# Allegro board 1140022-KU060_PCIE_FIBER_BOARD_V001_pcb166_20240120_1835_pcb.brd (continued)
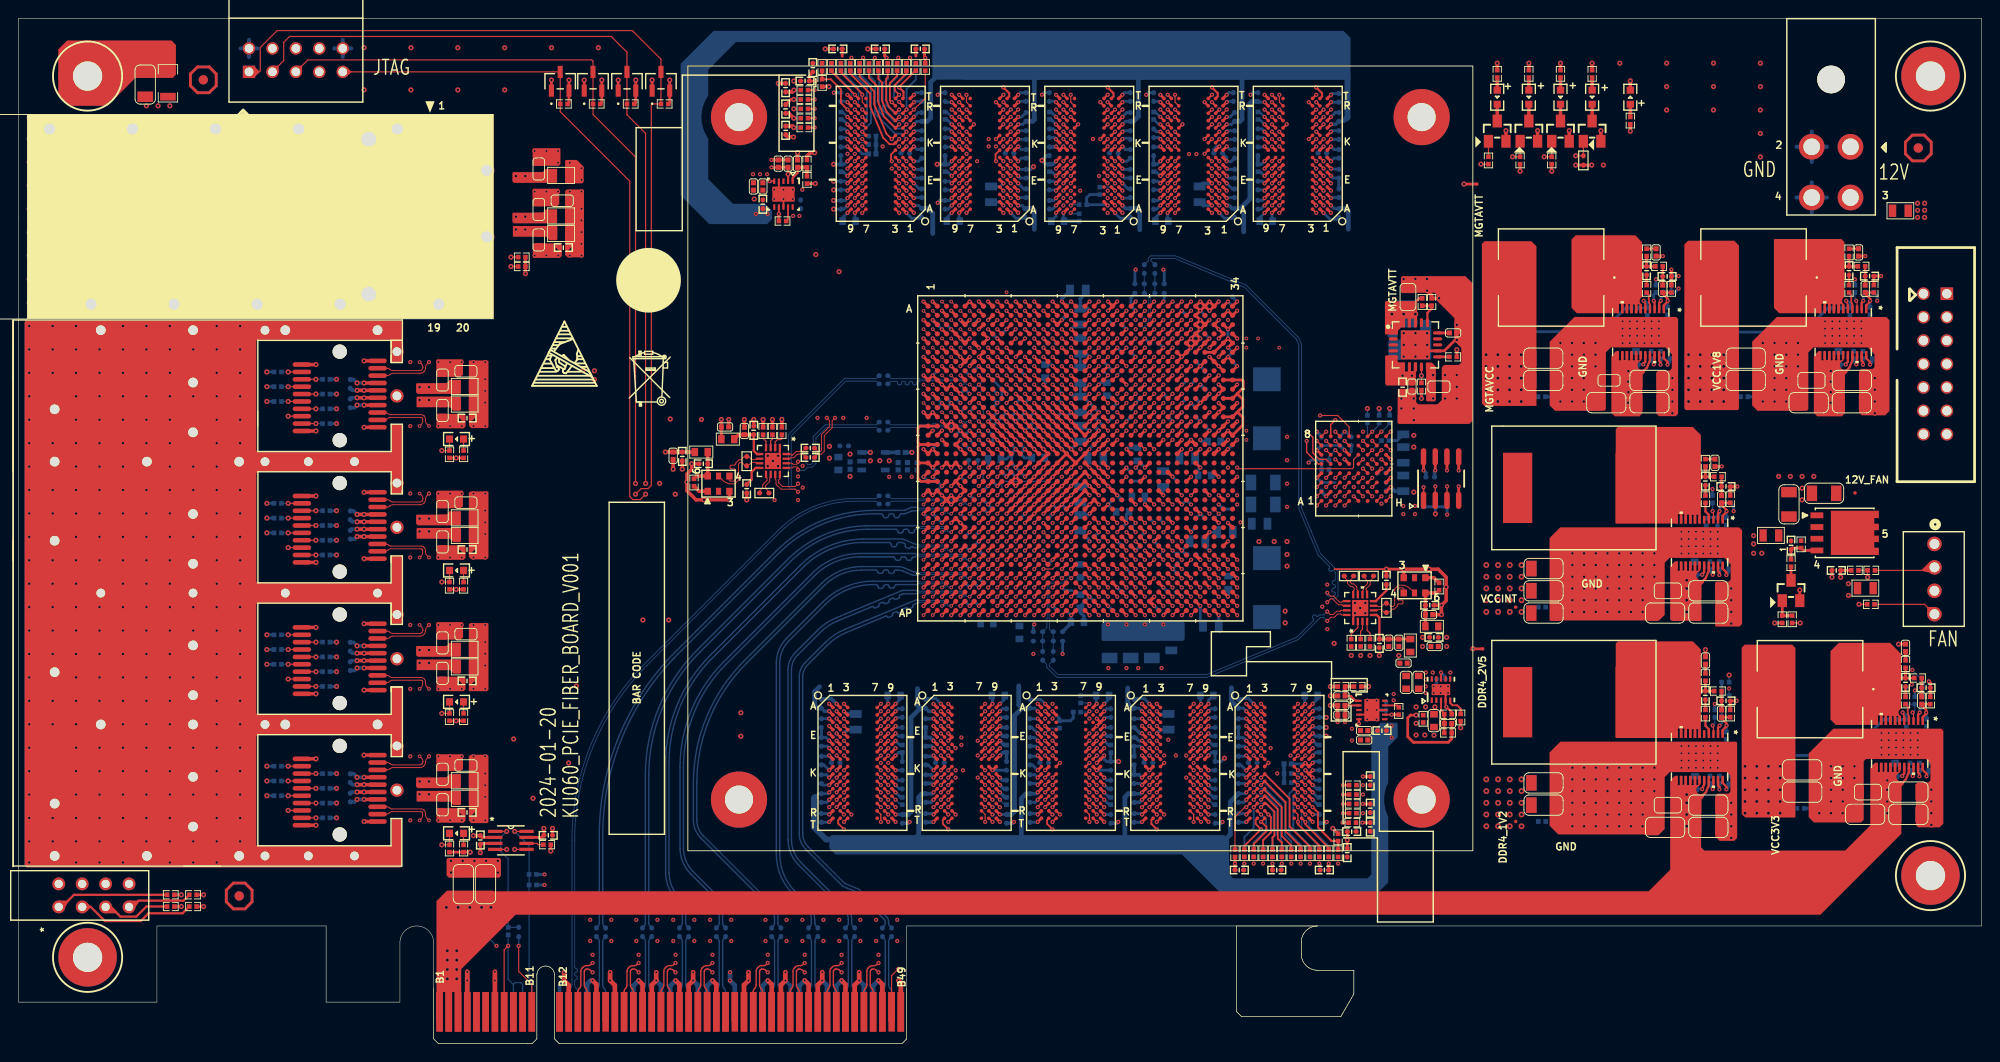
[diagram p0: board, top side]
## Routing (per net, layer and track width the routed paths; a pad name or vN(x,y) marks a point on that pad's centre or on a via; arc(x,y) is an arc through that point) (continued)
  ART03 w0.086: v1(104.11,57.45) 104.59,57.94 118.17,57.94 120.8,59.03 132.44,59.03 137.09,57.11 140.83,56.36 144.98,56.36 146.75,58.13 v1(146.75,59.34)
CHA_BPI_FLASH_D1: length 46.5
  TOP w0.155: U1.AB7 v1(104.11,58.45) ; U2.E2 v1(145.75,59.34)
  ART03 w0.086: v1(145.75,59.34) 145.75,57.64 144.81,56.69 140.85,56.69 137.16,57.43 136.69,57.62 135.95,58.36 132.07,59.97 118.77,59.97 117.86,59.05 104.7,59.05 104.11,58.46 v1(104.11,58.45)
CHA_BPI_FLASH_D2: length 47.3
  TOP w0.155: U2.G3 v1(146.75,60.34) ; U1.AA7 v1(104.11,59.45)
  ART03 w0.086: v1(104.11,59.45) 104.31,59.45 104.85,59.99 118.36,59.99 118.75,60.38 131.99,60.38 136.27,58.6 136.98,57.89 137.38,57.72 140.65,57.07 144.25,57.07 145.36,58.19 145.36,59.54 145.64,59.82 146.23,59.82 v1(146.75,60.34)
CHA_BPI_FLASH_D3: length 46.8
  TOP w0.155: U1.Y7 v1(104.11,60.45) ; U2.E4 v1(144.75,61.34)
  ART03 w0.086: v1(104.11,60.45) 104.29,60.45 104.83,60.99 132.07,60.99 140.72,57.4 143.99,57.4 145.16,58.57 145.16,60.93 v1(144.75,61.34)
CHA_BPI_FLASH_D4: length 32.9
  TOP w0.155: U1.M20 v1(118.11,68.45) ; U2.E5 v1(145.75,63.34)
  ART03 w0.086: v1(118.11,68.45) 118.68,69.02 119.39,69.02 119.71,68.71 119.71,67.29 120.15,66.85 132.48,66.85 132.56,66.93 133.27,66.93 136.4,63.8 139.85,63.8 140.79,62.87 145.01,62.87 145.49,63.34 v1(145.75,63.34)
CHA_BPI_FLASH_D5: length 34.1
  TOP w0.155: U1.L20 v1(118.11,69.45) ; U2.G5 v1(146.75,63.34)
  ART03 w0.086: v1(118.11,69.45) 118.58,69.93 120.22,69.93 120.65,69.49 120.65,68.91 120.6,68.86 120.6,68.28 121.02,67.85 131.59,67.85 131.59,67.85 132.27,67.85 132.33,67.79 133.46,67.79 136.5,64.74 146,64.74 146.28,64.47 146.28,64.19 146.75,63.71 v1(146.75,63.34)
CHA_BPI_FLASH_D6: length 40
  TOP w0.155: U1.R21 v1(119.11,66.45) ; U2.G6 v1(147.75,64.34)
  ART05 w0.086: v1(147.75,64.34) 147.75,64.06 148.16,63.65 148.16,62.16 147.14,59.71 147.14,59.23 147.02,58.93 146.31,58.08 144.53,56.29 139.75,56.29 138.42,56.55 136.48,57.35 136.3,57.48 134.38,59.4 131.68,60.52 131.24,60.52 127.33,62.14 125.71,62.46 122.14,63.94 121.75,64.2 121.03,65.28 120.4,66.8 120.35,66.85 119.92,66.85 119.22,66.57 v1(119.11,66.45)
CHA_BPI_FLASH_D7: length 39
  TOP w0.155: U2.H7 v1(148.75,64.34) ; U1.R22 v1(120.11,66.45)
  ART05 w0.086: v1(148.75,64.34) 148.52,64 148.35,63.44 148.35,62.01 147.35,59.58 147.35,59.04 147.24,58.78 147.07,58.57 146.15,57.45 144.65,55.96 139.68,55.96 138.31,56.23 136.01,57.18 135.24,57.96 132.64,59.69 131.72,60.07 131.51,60.07 127.26,61.83 125.64,62.15 122.29,63.54 121.59,64.01 121.34,64.26 121.05,64.7 v1(120.11,66.45)
CHA_BPI_FLASH_D8: length 32.4
  TOP w0.155: U1.P20 v1(118.11,66.45) ; U2.E1 v1(144.75,59.34)
  ART03 w0.086: v1(144.75,59.34) 144.3,59.79 144.3,61.47 143.99,61.77 136.17,61.77 133.22,64.72 132.16,64.72 131.81,65.06 118.83,65.06 118.51,65.39 118.51,66.05 v1(118.11,66.45)
CHA_BPI_FLASH_D9: length 32.1
  TOP w0.155: U1.P21 v1(119.11,67.45) ; U2.E3 v1(145.75,61.34)
  ART03 w0.086: v1(119.11,67.45) 118.71,67.05 118.71,66.08 118.78,66 119.43,66 119.58,65.85 132.33,65.85 132.59,65.59 132.59,65.3 132.83,65.06 133.39,65.06 136.35,62.1 144.65,62.1 145.41,61.34 v1(145.75,61.34)
CHA_BPI_FLASH_D10: length 32.9
  TOP w0.155: U2.F3 v1(146.75,61.34) ; U1.N22 v1(119.11,68.45)
  ART03 w0.086: v1(146.75,61.34) 146.22,61.87 145.44,61.87 144.81,62.51 136.63,62.51 133.18,65.95 132.62,65.95 132.51,66.06 119.9,66.06 119.51,66.45 119.51,68.05 v1(119.11,68.45)
CHA_BPI_FLASH_D11: length 32.5
  TOP w0.155: U2.F4 v1(145.75,62.34) ; U1.M22 v1(120.11,69.45)
  ART03 w0.086: v1(145.75,62.34) 146.25,62.84 146.25,63.63 146.05,63.83 140.63,63.83 140.32,64.14 136.53,64.14 133.4,67.26 132.56,67.26 132.36,67.06 120.94,67.06 120.5,67.49 120.5,67.94 120.12,68.33 120.12,69.44 v1(120.11,69.45)
CHA_BPI_FLASH_D12: length 35.2
  TOP w0.155: U2.F5 v1(146.75,62.34) ; U1.R23 v1(121.11,66.45)
  ART05 w0.086: v1(146.75,62.34) 146.69,62.34 146.35,62 146.35,58.96 145.57,57.79 144.4,56.62 139.81,56.62 138.49,56.88 136.72,57.61 136.42,57.81 133.27,60.96 131.29,60.96 130.24,62.02 128.07,62.92 125.44,62.92 122.86,63.98 122.59,64.25 122.59,64.83 121.11,66.32 v1(121.11,66.45)
CHA_BPI_FLASH_D13: length 36.6
  TOP w0.155: U1.P23 v1(121.11,67.45) ; U2.H5 v1(147.75,63.34)
  ART05 w0.086: v1(121.11,67.45) 121.33,67.23 121.59,66.6 121.59,66.4 122.3,65.69 122.99,65.4 124.34,64.05 126.2,63.28 127.99,63.28 131.01,62.03 132.71,62.03 136.8,57.94 138.62,57.19 139.83,56.95 144.27,56.95 145.49,58.17 146.15,59.15 146.15,62.43 146.56,62.84 146.86,62.84 147.52,63.11 v1(147.75,63.34)
CHA_BPI_FLASH_D14: length 34.7
  TOP w0.155: U2.G7 v1(146.75,65.34) ; U1.R25 v1(123.11,66.45)
  ART05 w0.086: v1(146.75,65.34) 146.44,65.03 146.2,64.46 146.2,64.26 146.12,64.05 145.96,63.89 145.75,63.8 145.64,63.8 145.37,63.53 145.24,63.21 145.24,59.46 145.12,58.86 144.7,57.86 144.15,57.3 140.4,57.3 138.21,58.21 137.29,59.13 135.73,59.77 133.16,62.34 132.64,62.62 132.13,62.9 128.46,63.63 126.13,63.63 124.8,64.18 123.65,65.33 123.45,65.62 v1(123.11,66.45)
CHA_BPI_FLASH_D15: length 33.3
  TOP w0.155: U1.R26 v1(124.11,66.45) ; U2.E7 v1(145.75,64.34)
  ART05 w0.086: v1(145.75,64.34) 145.11,64.34 144.22,63.45 144.22,59.21 144.48,58.95 144.48,58.04 144.02,57.58 140.57,57.58 138.48,58.45 137.57,59.36 136.18,59.93 132.18,63.93 126.21,63.93 125.17,64.36 124.51,65.02 124.51,66.02 124.11,66.42 v1(124.11,66.45)
CHA_BPI_FLASH_OE_B: length 29.8
  TOP w0.155: U2.F8 v1(146.75,66.34) ; U1.G25 v1(123.11,74.45)
  ART03 w0.086: v1(123.11,74.45) 123.5,74.06 131.47,74.06 131.6,74.19 138.9,74.19 v1(146.75,66.34)
  BOTTOM w0.127: v1(146.75,66.34) 147.5,67.09 R27.2
CHA_BPI_FLASH_RST_B: length 46.9
  TOP w0.155: U2.D4 v1(143.75,61.34)
  ART03 w0.086: v1(143.75,61.34) 143.23,60.82 143.23,58.19 142.95,57.91 140.58,57.91 135.18,60.15 132.41,62.92 103.57,62.92 v1(103.11,62.45)
  BOTTOM w0.127: v1(103.11,62.45) 103,62.56 R1.1
CHA_BPI_FLASH_WAIT: length 30
  TOP w0.155: U1.H23 v1(121.11,73.45)
  ART03 w0.086: v3(146.23,68.86) 140.16,74.93 131.98,74.93 131.85,75.06 123.09,75.06 122.58,74.55 122.58,74.16 122.27,73.85 121.5,73.85 v1(121.11,73.45)
  BOTTOM w0.127: R31.2 v3(146.23,68.86)
CHA_BPI_FLASH_WE_B: length 30.1
  TOP w0.155: U2.G8 v1(147.75,66.34) ; U1.G26 v1(124.11,74.45)
  ART03 w0.086: v1(147.75,66.34) 139.52,74.57 131.85,74.57 131.57,74.85 124.51,74.85 v1(124.11,74.45)
  BOTTOM w0.127: R30.2 148.64,67.23 v1(147.75,66.34)
CHA_DDR4_2V5: length 112.1
  TOP w0.203: U14.7 v1(82.43,89.95) ; U8.7 v1(148.86,35.67)
  TOP w0.305: U5.R9 v1(128.99,24.83) ; U10.R9 v1(135.08,102.07) ; U11.R9 v1(89.87,102.07) ; U11.B1 v1(97.07,90.87) ; TP105.1 v3(157.66,42.8) ; U4.R9 v1(106.39,24.83) ; U13.B1 v1(108.37,90.87) ; U6.R9 v1(117.69,24.83) ; v1(82.43,89.95) R146.1 ; U3.R9 v1(95.09,24.83) ; U5.B1 v1(121.8,36.03) ; R664.1 v3(156.34,34.24) ; U13.R9 v1(101.17,102.07) ; U9.R9 v1(123.78,102.07) ; v3(151.51,35.61) 150.9,35.61 150.6,35.31 150.6,33.27 151.21,32.66 154.99,32.66 155.37,33.04 R667.1 C1277.2 ; v1(148.86,35.67) R99.1 ; U7.B1 v1(133.1,36.03) ; U3.B1 v1(87.89,36.03) ; U10.B1 v1(142.28,90.87) ; U12.B1 v1(119.67,90.87) ; U4.B1 v1(99.19,36.03) ; U7.R9 v1(140.3,24.83) ; U9.B1 v1(130.98,90.87) ; U6.B1 v1(110.49,36.03) ; U12.R9 v1(112.47,102.07)
  BOTTOM w0.305: C284.1 123.69,102.16 v1(123.78,102.07) ; v1(133.1,36.03) 132.76,36.37 C168.1 ; C299.1 109.09,90.57 108.79,90.87 v1(108.37,90.87) ; C285.1 97.58,90.87 v1(97.07,90.87) ; C301.1 110.15,36.37 v1(110.49,36.03) ; C345.1 142.62,90.53 v1(142.28,90.87) ; C298.1 134.45,102.07 v1(135.08,102.07) ; C193.1 112.38,102.16 v1(112.47,102.07) ; v1(89.87,102.07) 89.78,102.16 C209.1 ; C167.1 v1(117.69,24.83) ; C344.1 v1(140.3,24.83) ; v1(101.17,102.07) 100.54,102.07 C253.1 ; C300.1 v1(128.99,24.83) ; C194.1 v1(106.39,24.83) ; C259.1 121.46,36.37 v1(121.8,36.03)
  BOTTOM w0.381: 132.44,90.53 C208.1 131.56,90.53 131.23,90.87 v1(130.98,90.87) ; v1(119.67,90.87) 120.01,90.53 C210.1 ; v1(99.19,36.03) 98.68,36.03 C258.1 97.76,36.37 ; v1(87.89,36.03) 87.38,36.03 C254.1 ; C207.1 v1(95.09,24.83)
  BOTTOM w0.508: C259.1 120.75,36.37 120.24,36.88 120.24,38.56 ; 108.79,36.37 107.98,35.55 107.98,25.17 107.64,24.83 C194.1 ; 108.79,36.37 108.43,36.73 108.43,38.79 ; 108.79,36.37 C301.1 ; C210.1 121.33,90.53 121.54,90.32 121.54,88.23 ; 110.11,88.28 110.11,90.32 109.9,90.53 C299.1 ; C285.1 98.6,90.53 99.11,90.02 99.11,87.83 ; C254.1 86.64,36.37 86.31,36.7 86.31,38.15 86.84,38.68 ; 131.5,38.58 131.5,37.13 C168.1 ; 132.82,88.01 132.82,90.15 132.44,90.53 133.48,91.57 133.48,101.93 133.71,102.16 C298.1 ; C207.1 96.46,24.83 96.75,25.12 96.75,35.35 97.76,36.37 97.46,36.68 97.46,38.48 ; C345.1 143.93,90.53 144.15,90.32 144.15,88.29
  vias: v1(83.98,89.74) v1(84.66,89.74) v1(149.07,37.9) v1(149.07,37.22) v3(151.51,36.5) v3(152.53,36.5) v3(153.54,36.5)
CHA_DDR4_C1_VREF: length 36.5
  TOP w0.155: U3.M1 v1(87.89,27.23) ; U7.M1 v1(133.1,27.23) ; U4.M1 v1(99.19,27.23)
  TOP w0.305: U5.M1 v1(121.8,27.23) ; U6.M1 v1(110.49,27.23)
  BOTTOM w0.305: 86.36,26.74 86.72,27.09 C256.1 87.75,27.09 v1(87.89,27.23) ; v1(133.1,27.23) 132.96,27.09 C212.1
  BOTTOM w0.381: C255.1 99.05,27.09 v1(99.19,27.23) ; v1(121.8,27.23) 121.66,27.09 C181.1 ; C195.1 110.35,27.09 v1(110.49,27.23)
  BOTTOM w0.508: C255.1 97.97,27.09 97.59,26.71 97.59,22.66 97.28,22.35 ; 108.71,22.35 108.71,26.59 109.22,27.09 C195.1 ; C212.1 131.37,26.21 131.37,22.66 130.73,22.02 ; 119.94,22.19 119.94,26.71 120.32,27.09 C181.1
  BOTTOM w0.635: 88.49,22.12 87.55,22.12 86.23,23.44 86.23,26.61 86.36,26.74
  vias: v1(148.86,34.45) v1(148.86,33.18)
CHA_DDR4_C1_VTT: length 28.2
  TOP w0.254: U8.5 v1(145.31,34.68)
  ART03 w0.381: v1(145.31,34.68) 145.31,32.38 144.65,31.72 144.65,23.9 142.77,22.02 133.86,22.02 132.89,21.05 v1(132.89,19.51)
  BOTTOM w0.305: v1(136.95,19.51) 136.88,19.44 C237.1 ; v1(141.02,19.51) 141.09,19.44 C246.1 ; C247.1 132.81,19.44 v1(132.89,19.51)
  vias: v1(133.9,19.51) v1(134.92,19.51) v1(137.97,19.51) v1(138.98,19.51) v1(140,19.51) v1(143.05,19.51) v1(144.55,34.13) v1(144.55,32.86) v1(145.74,28.02) v1(145.74,27) v1(145.74,24.97)
CHA_DDR4_C2_VREF: length 38.5
  TOP w0.305: U13.M1 v1(108.37,99.67) ; U10.M1 v1(142.28,99.67) ; U11.M1 v1(97.07,99.67) ; U9.M1 v1(130.98,99.67) ; U12.M1 v1(119.67,99.67)
  BOTTOM w0.305: v1(97.07,99.67) 97.4,100 C286.1 ; v1(119.67,99.67) 120,100 C302.1 ; v1(108.37,99.67) 108.88,99.67 C272.1 ; C347.1 131.49,99.67 v1(130.98,99.67)
  BOTTOM w0.381: 143.91,100.27 143.64,100 C346.1 142.79,99.67 v1(142.28,99.67)
  BOTTOM w0.508: 101.13,106.48 98.88,104.24 98.88,100.36 98.52,100 C286.1 ; C272.1 109.95,100 110.13,100.18 110.13,105.21 ; C347.1 132.43,100 132.64,100.21 132.64,104.81 ; C302.1 120.87,100 121.41,100.53 121.41,104.74
  BOTTOM w0.635: 143.91,100.27 144.07,100.43 144.07,105.06
  vias: v1(79.94,89.95) v1(81.21,89.95)
CHA_DDR4_C2_VTT: length 36.2
  TOP w0.203: U14.5 v1(81.44,93.5)
  TOP w0.305: C333.1 93.9,107.09 v1(94.1,106.89) ; 89.29,107.06 C335.1 ; 97.28,107.07 C331.1
  TOP w0.381: C329.1 83.52,100.86 v3(84.05,100.33) ; C337.1 83.9,99.49 83.9,99.47 v3(84.05,99.32) ; C338.1 83.87,103.17 83.87,103.2 v3(84.05,103.38)
  ART12 w0.305: v1(81.44,93.5) 84.82,93.5 85.19,93.88 85.19,105.41 85.55,105.77 95.52,105.77 v1(96.64,106.89)
  BOTTOM w0.305: 89.29,107.09 C335.1 ; 97.28,107.07 C331.1 ; v1(94.1,106.89) 93.9,107.09 C333.1
  vias: v1(79.62,94.26) v1(80.39,94.26) v1(81.15,94.26) v1(90.29,106.89) v1(91.56,106.89) v1(92.83,106.89) v1(95.37,106.89) v3(84.05,104.37) v3(84.05,101.35)
CHA_DDR4_CLK1_N_200M: length 11.5
  TOP w0.102: U1.AK16 v1(113.11,50.45)
  BOTTOM w0.084: 111.48,46.03 111.48,46.05 111.53,46.11 111.53,49.82 111.76,50.05 113.33,50.05 113.42,50.14 113.42,50.25 113.23,50.45 v1(113.11,50.45)
  BOTTOM w0.102: v1(113.11,50.45) 112.61,50.95 R49.1 ; C1378.2 R53.2 R51.1 111.48,45.1 111.48,46.03
CHA_DDR4_CLK1_P_200M: length 11.8
  TOP w0.102: U1.AK17 v1(114.11,50.45)
  BOTTOM w0.084: v1(114.11,50.45) 113.74,50.45 113.61,50.33 113.61,50.06 113.41,49.86 111.84,49.86 111.72,49.74 111.72,46.11 111.77,46.05 111.77,46.03
  BOTTOM w0.102: v1(114.11,50.45) 113.62,50.94 R49.2 ; C1379.2 R52.2 R50.1 112.01,44.66 111.77,44.9 111.77,46.03
CHA_DDR4_CLK2_N_200M: length 7.7
  TOP w0.102: U1.C24 v1(122.11,78.45)
  BOTTOM w0.084: R62.1 122.5,80.9 122.5,78.11 122.45,78.05 122.3,78.05 122.11,78.25 v1(122.11,78.45)
  BOTTOM w0.102: v1(122.11,78.45) 121.61,78.95 R60.1 ; R62.1 R64.2 C1380.2
CHA_DDR4_CLK2_P_200M: length 8.1
  TOP w0.102: U1.D24 v1(122.11,77.45)
  BOTTOM w0.084: R61.1 122.69,80.86 122.69,78.03 122.53,77.87 122.19,77.87 122.11,77.78 v1(122.11,77.45)
  BOTTOM w0.102: C1382.2 R63.2 R61.1 ; R60.2 121.62,77.94 v1(122.11,77.45)
CHA_DEBUG_LED0: length 85.8
  TOP w0.127: Q2.1 R38.2 v3(165.39,96.15)
  TOP w0.155: U1.Y22 v1(120.11,61.45)
  ART10 w0.086: v1(120.11,61.45) 120.55,61.01 128.84,61.01 130.07,60.5 133.73,60.5 138.56,55.68 156.08,55.68 157.15,56.74 157.15,87.4 165.39,95.64 v3(165.39,96.15)
CHA_DEBUG_LED1: length 78.8
  TOP w0.127: v3(161.96,96.15) R39.2 Q3.1
  TOP w0.155: U1.U29 v1(127.11,64.45)
  ART10 w0.086: v3(161.96,96.15) 161.96,92.87 156.77,87.68 156.77,57.1 155.75,56.08 138.73,56.08 133.83,60.99 129.87,60.99 128.22,61.67 127.11,62.78 v1(127.11,64.45)
CHA_FAN_FG: length 192.8
  TOP w0.127: U1.AL8 v1(105.11,49.45) ; R250.2 R251.1 v3(200.45,50.56)
  ART10 w0.086: v3(200.45,50.56) 200.45,49.77 197.56,46.89 189.18,46.89 186.92,44.63 186.92,32.51 188.19,31.24 191.62,31.24 192.38,30.48 192.38,21.97 190.75,20.35 89.13,20.35 87.02,22.45 87.02,40.41 96.47,49.86 104.7,49.86 v1(105.11,49.45)
CHA_FAN_PWM: length 191
  TOP w0.127: R778.1 v3(199.52,47.62)
  TOP w0.155: U1.AK8 v1(105.11,50.45)
  ART10 w0.086: v1(105.11,50.45) 104.7,50.05 97.91,50.05 97.66,50.29 96.39,50.29 86.66,40.56 86.66,22.3 88.95,20.02 191.08,20.02 192.76,21.69 192.76,30.78 191.74,31.8 188.29,31.8 187.27,32.82 187.27,44.53 189.23,46.48 197.87,46.48 199.01,47.62 v3(199.52,47.62)
CHA_FAN_PWREN: length 186.3
  TOP w0.127: R245.2 v3(193.14,45.6)
  TOP w0.155: U1.AJ8 v1(105.11,51.45)
  ART10 w0.086: v3(193.14,45.6) 192.61,46.13 189.41,46.13 187.63,44.35 187.63,33.27 188.62,32.28 192,32.28 193.27,31.01 193.27,21.49 190.81,19.03 89.42,19.03 86.3,22.16 86.3,40.71 96.64,51.05 104.7,51.05 v1(105.11,51.45)
CHA_FPGA_CFGBVS: length 1.4
  TOP w0.155: U1.W7 v1(104.11,61.45)
  BOTTOM w0.127: R6.1 103.61,60.96 v1(104.11,61.45)
CHA_FPGA_DDR4_C1_A0: length 114.3
  TOP w0.201: v1(134.7,25.63) U7.P3 135.26,26.03 136.14,25.15 136.14,22.56 135.94,22.35 R83.1 ; U6.P3 v1(112.09,25.63) ; U3.P3 v1(89.49,25.63) ; U4.P3 v1(100.79,25.63) ; U5.P3 v1(123.4,25.63)
  TOP w0.229: U1.AP15 v1(112.11,46.45)
  ART05 w0.137: v1(89.49,25.63) 89.22,25.63 89.09,25.77 89.09,27.39 88.85,27.63 88.49,27.63 88.29,27.84 88.29,28.2 88.05,28.43 87.65,28.43 86.77,29.31
  ART05 w0.155: 86.77,29.31 86.77,38.33 90.27,41.83 96.31,41.83 96.49,42.02 96.49,42.36 96.65,42.52 96.96,42.52 97.11,42.36 97.11,42.02 97.29,41.83 97.55,41.83 97.73,42.02 97.73,42.36 97.89,42.52 98.2,42.52 98.35,42.36 98.35,42.02 98.53,41.83 105.56,41.83 105.84,41.55 105.84,41.35 106,41.2 106.31,41.2 106.46,41.35 106.46,41.76 106.62,41.91 106.93,41.91 107.08,41.76 107.08,41.35 107.24,41.2 107.55,41.2 107.7,41.35 107.7,41.78 107.86,41.94 108.17,41.94 108.32,41.78 108.32,41.35 108.48,41.2 108.78,41.2 108.94,41.35 108.94,41.55 109.09,41.71 109.32,41.71 109.47,41.86 109.47,42.47 109.86,42.85 110.77,42.85 112.22,44.3 112.22,46.34 112.11,46.45 v1(112.11,46.45)
  ART12 w0.086: v1(89.49,25.63) 90.07,25.63 92.96,22.73 97.07,22.73 99.39,23.69 99.62,23.93 99.76,24.17 100.05,25.1 100.08,25.15 100.57,25.64 100.78,25.64 v1(100.79,25.63) 101.37,25.63 104.27,22.73 108.37,22.73 110.69,23.69 110.92,23.93 111.07,24.17 111.35,25.1 111.38,25.15 111.87,25.64 112.09,25.64 v1(112.09,25.63) 112.67,25.63 115.57,22.73 119.67,22.73 121.99,23.69 122.22,23.93 122.37,24.17 122.65,25.1 122.68,25.15 123.17,25.64 123.39,25.64 v1(123.4,25.63) 123.97,25.63 126.87,22.73 130.98,22.73 133.29,23.69 133.53,23.93 133.67,24.17 133.96,25.1 133.99,25.15 134.48,25.64 134.69,25.64 v1(134.7,25.63)
CHA_FPGA_DDR4_C1_A1: length 117.5
  TOP w0.201: U4.P7 v1(104.79,25.63) ; U3.P7 v1(93.49,25.63) ; U5.P7 v1(127.39,25.63) ; U6.P7 v1(116.09,25.63) ; U7.P7 v1(138.7,25.63)
  TOP w0.229: U1.AP18 v1(116.11,46.45)
  ART05 w0.137: v1(93.49,25.63) 93.89,26.03 94.49,26.03 94.69,26.23 94.69,26.69 94.83,26.83 95.43,26.83
  ART05 w0.155: v1(116.11,46.45) 115.92,46.45 115.52,46.05 115.52,42.27 111.1,37.85 98.68,37.85 95.68,34.85 95.68,31.78 95.84,31.63 97.1,31.63 97.33,31.4 97.33,31.16 97.18,31.01 95.84,31.01 95.68,30.85 95.68,30.5 95.84,30.34 97.89,30.34 98.04,30.19 98.04,29.88 97.89,29.72 95.84,29.72 95.68,29.57 95.68,29.26 95.84,29.1 97.89,29.1 98.04,28.95 98.04,28.64 97.89,28.48 95.84,28.48 95.68,28.33 95.68,28.02 95.84,27.86 97.25,27.86 97.41,27.71 97.41,27.4 97.25,27.24 95.84,27.24 95.43,26.83
  ART10 w0.086: v1(138.7,25.63) 138.15,25.63 137.41,24.89 136.78,24.89 135.51,23.62 134.1,23.62 134,23.72 134,23.83 133.9,23.93 133.69,23.93 133.59,23.83 133.59,23.72 133.49,23.62 132.08,23.62 130.81,24.89 129.79,24.89 129.46,25.22 128.85,25.22 128.6,25.48 128.6,25.78 128.35,26.04 128.02,26.04 127.61,25.63 v1(127.39,25.63) 126.85,25.63 126.11,24.89 125.48,24.89 124.21,23.62 122.8,23.62 122.69,23.72 122.69,23.83 122.59,23.93 122.39,23.93 122.29,23.83 122.29,23.72 122.19,23.62 120.78,23.62 119.51,24.89 118.49,24.89 118.16,25.22 117.55,25.22 117.3,25.48 117.3,25.78 117.04,26.04 116.71,26.04 116.31,25.63 v1(116.09,25.63) 115.55,25.63 114.81,24.89 114.17,24.89 112.9,23.62 111.49,23.62 111.39,23.72 111.39,23.83 111.29,23.93 111.09,23.93 110.98,23.83 110.98,23.72 110.88,23.62 109.47,23.62 108.2,24.89 107.19,24.89 106.86,25.22 106.25,25.22 105.99,25.48 105.99,25.78 105.74,26.04 105.41,26.04 105.01,25.63 v1(104.79,25.63) 104.24,25.63 103.5,24.89 102.87,24.89 101.6,23.62 100.19,23.62 100.09,23.72 100.09,23.83 99.99,23.93 99.78,23.93 99.68,23.83 99.68,23.72 99.58,23.62 98.17,23.62 96.9,24.89 95.89,24.89 95.55,25.22 94.95,25.22 94.69,25.48 94.69,25.78 94.44,26.04 94.11,26.04 93.7,25.63 v1(93.49,25.63)
  BOTTOM w0.127: 139.1,23.33 139.1,25.23 v1(138.7,25.63)
  BOTTOM w0.201: R84.1 141.02,21.41 139.1,23.33
CHA_FPGA_DDR4_C1_A2: length 117
  TOP w0.201: U5.R3 v1(124.2,24.83) ; U3.R3 v1(90.29,24.83) ; U4.R3 v1(101.59,24.83) ; U7.R3 v1(135.5,24.83) 135.76,24.57 135.76,22.89 134.92,22.05 R85.1 ; U6.R3 v1(112.89,24.83)
  TOP w0.229: U1.AN16 v1(113.11,47.45)
  ART05 w0.137: 89.97,27.48 89.81,27.63 89.32,27.63 89.09,27.87 89.09,28.2 88.85,28.43 88.52,28.43 88.29,28.67 88.29,29 88.05,29.23 87.62,29.23
  ART05 w0.155: v1(113.11,47.45) 112.8,47.45 112.65,47.3 112.65,45.9 112.8,45.75 112.8,44.14 109.32,40.67 105.48,40.67 105.32,40.82 105.32,40.92 105.17,41.07 104.86,41.07 104.7,40.92 104.7,40.82 104.55,40.67 104.24,40.67 104.08,40.82 104.08,41.09 103.93,41.25 103.62,41.25 103.46,41.09 103.46,40.82 103.31,40.67 103,40.67 102.84,40.82 102.84,41.2 102.69,41.35 102.38,41.35 102.22,41.2 102.22,40.82 102.07,40.67 101.76,40.67 101.6,40.82 101.6,41.2 101.45,41.35 101.14,41.35 100.98,41.2 100.98,40.82 100.83,40.67 100.52,40.67 100.36,40.82 100.36,41.2 100.21,41.35 99.9,41.35 99.74,41.2 99.74,40.82 99.59,40.67 99.28,40.67 99.12,40.82 99.12,41.2 98.97,41.35 98.66,41.35 98.5,41.2 98.5,40.82 98.35,40.67 98.04,40.67 97.88,40.82 97.88,41.2 97.73,41.35 97.42,41.35 97.26,41.2 97.26,40.82 97.11,40.67 96.8,40.67 96.64,40.82 96.64,41.2 96.49,41.35 90.78,41.35 87.4,37.97 87.4,29.45 87.62,29.23 ; 89.97,27.48 89.97,25.15 v1(90.29,24.83)
  ART12 w0.086: v1(90.29,24.83) 92.74,22.38 97.16,22.38 99.37,23.29 100.08,24 100.08,24.36 100.36,25.05 100.53,25.22 101.2,25.22 v1(101.59,24.83) 104.04,22.38 108.46,22.38 110.67,23.29 111.38,24 111.38,24.36 111.67,25.05 111.84,25.22 112.5,25.22 v1(112.89,24.83) 115.35,22.38 119.76,22.38 121.97,23.29 122.68,24 122.68,24.36 122.97,25.05 123.14,25.22 123.81,25.22 v1(124.2,24.83) 126.65,22.38 131.07,22.38 133.27,23.29 133.99,24 133.99,24.36 134.27,25.05 134.44,25.22 135.11,25.22 v1(135.5,24.83)
CHA_FPGA_DDR4_C1_A3: length 116.1
  TOP w0.201: U7.N7 v1(138.7,26.43) ; U5.N7 v1(127.39,26.43) ; U6.N7 v1(116.09,26.43) ; U3.N7 v1(93.49,26.43) ; U4.N7 v1(104.79,26.43)
  TOP w0.229: R86.1 v1(143.58,25.99) ; U1.AP16 v1(113.11,46.45)
  ART05 w0.137: 88.29,37.18 88.29,30.97 89.09,30.17 89.09,28.64 89.3,28.43 89.64,28.43
  ART05 w0.155: 89.64,28.43 89.68,28.43 91.68,26.43 v1(93.49,26.43) ; 88.29,37.18 88.55,37.44 88.55,37.92 89.2,38.57 89.41,38.57 89.73,38.26 89.95,38.26 90.17,38.48 90.17,38.7 89.85,39.01 89.85,39.3 90.01,39.45 90.29,39.45 90.61,39.14 90.82,39.14 91.04,39.36 91.04,39.57 90.87,39.75 90.87,39.97 91.08,40.18 91.52,40.18 91.68,40.34 91.68,40.71 91.83,40.87 92.14,40.87 92.3,40.71 92.3,40.34 92.45,40.18 92.76,40.18 92.92,40.34 92.92,40.71 93.07,40.87 93.38,40.87 93.54,40.71 93.54,40.34 93.69,40.18 94,40.18 94.16,40.34 94.16,40.71 94.31,40.87 94.62,40.87 94.78,40.71 94.78,40.34 94.93,40.18 95.24,40.18 95.4,40.34 95.4,40.71 95.55,40.87 95.86,40.87 96.02,40.71 96.02,40.34 96.17,40.18 109.65,40.18 113.36,43.89 113.36,45.75 113.11,46 v1(113.11,46.45)
  ART10 w0.086: 140.45,26.85 139.34,26.85 138.91,26.43 v1(138.7,26.43) 137.53,26.43 137.14,26.27 136.09,25.22 135.69,25.22 135.59,25.32 135.59,25.53 135.48,25.63 135.28,25.63 135.18,25.53 135.18,25.32 135.08,25.22 132.26,25.22 130.66,26.82 130.02,26.82 129.92,26.72 129.92,26.47 129.82,26.37 129.61,26.37 129.51,26.47 129.51,26.72 129.41,26.82 127.97,26.82 127.57,26.43 v1(127.39,26.43) 126.23,26.43 125.84,26.27 124.79,25.22 124.39,25.22 124.28,25.32 124.28,25.53 124.18,25.63 123.98,25.63 123.88,25.53 123.88,25.32 123.78,25.22 120.95,25.22 119.35,26.82 118.72,26.82 118.62,26.72 118.62,26.47 118.52,26.37 118.31,26.37 118.21,26.47 118.21,26.72 118.11,26.82 116.66,26.82 116.27,26.43 v1(116.09,26.43) 114.93,26.43 114.53,26.27 113.49,25.22 113.08,25.22 112.98,25.32 112.98,25.53 112.88,25.63 112.68,25.63 112.57,25.53 112.57,25.32 112.47,25.22 109.65,25.22 108.05,26.82 107.42,26.82 107.31,26.72 107.31,26.47 107.21,26.37 107.01,26.37 106.91,26.47 106.91,26.72 106.81,26.82 105.36,26.82 104.97,26.43 v1(104.79,26.43) 103.62,26.43 103.23,26.27 102.18,25.22 101.78,25.22 101.68,25.32 101.68,25.53 101.58,25.63 101.37,25.63 101.27,25.53 101.27,25.32 101.17,25.22 98.35,25.22 96.75,26.82 96.11,26.82 96.01,26.72 96.01,26.47 95.91,26.37 95.71,26.37 95.6,26.47 95.6,26.72 95.5,26.82 94.06,26.82 93.67,26.43 v1(93.49,26.43)
  ART10 w0.155: 140.45,26.85 141.72,26.85 142.59,25.99 v1(143.58,25.99)
CHA_FPGA_DDR4_C1_A4: length 120.3
  TOP w0.145: v1(111.11,52.45) U1.AJ14
  TOP w0.201: U3.N3 v1(89.49,26.43) ; v1(134.7,26.43) U7.N3 135.1,26.83 136.51,25.41 136.51,22.22 136.95,21.78 R87.1 ; U5.N3 v1(123.4,26.43) ; U6.N3 v1(112.09,26.43) ; U4.N3 v1(100.79,26.43)
  ART03 w0.137: v1(89.49,26.43) 89.4,26.23 89.31,26.09 89.16,25.94 89.09,25.77 89.09,25.46 88.86,25.23 87.68,25.23
  ART03 w0.155: v1(111.11,52.45) 110.68,52.88 110.2,52.88 109.14,52.98 94.26,52.98 82.32,41.05 82.32,30.1 87.19,25.23 87.68,25.23
  ART12 w0.086: v1(134.7,26.43) 134.46,26.43 134.06,26.04 133.73,26.04 133.48,25.78 133.48,25.48 133.25,25.25 132.96,25.25 132.26,24.96 130.57,23.57 129.79,23.34 127.18,23.34 124.09,26.43 v1(123.4,26.43) 123.15,26.43 122.76,26.04 122.43,26.04 122.17,25.78 122.17,25.48 121.95,25.25 121.65,25.25 120.96,24.96 119.27,23.57 118.49,23.34 115.88,23.34 112.79,26.43 v1(112.09,26.43) 111.85,26.43 111.45,26.04 111.12,26.04 110.87,25.78 110.87,25.48 110.64,25.25 110.35,25.25 109.66,24.96 107.97,23.57 107.19,23.34 104.58,23.34 101.48,26.43 v1(100.79,26.43) 100.55,26.43 100.15,26.04 99.82,26.04 99.57,25.78 99.57,25.48 99.34,25.25 99.05,25.25 98.36,24.96 96.66,23.57 95.88,23.34 93.28,23.34 90.18,26.43 v1(89.49,26.43)
CHA_FPGA_DDR4_C1_A5: length 117.3
  TOP w0.201: U5.P8 v1(128.2,25.63) ; U3.P8 v1(94.29,25.63) ; U7.P8 v1(139.5,25.63) ; U4.P8 v1(105.59,25.63) ; U6.P8 v1(116.89,25.63)
  TOP w0.229: U1.AN18 v1(116.11,47.45) ; R88.1 v1(143.54,23.95)
  ART05 w0.137: 96.62,26.03 94.92,26.03 94.52,25.63 v1(94.29,25.63)
  ART05 w0.155: 96.62,26.03 98.53,27.94 98.53,30.71 98.37,30.87 98.1,30.87 97.94,31.02 97.94,31.33 98.1,31.49 98.37,31.49 98.53,31.64 98.53,32.08 98.37,32.24 96.32,32.24 96.16,32.39 96.16,32.7 96.32,32.86 98.35,32.86 98.5,33.01 98.5,33.3 98.32,33.48 96.32,33.48 96.16,33.63 96.16,34.62 98.93,37.39 112.57,37.39 114.2,39.02 114.2,39.72 114.36,39.88 114.67,39.88 114.82,39.72 114.82,39.02 114.98,38.86 115.21,38.86 115.85,39.5 116.41,39.5 116.59,39.67 116.59,41.14 116.43,41.3 115.9,41.3 115.75,41.45 115.75,41.76 115.9,41.92 116.43,41.92 116.59,42.07 116.59,42.38 116.43,42.54 116.39,42.54 116.23,42.69 116.23,43 116.39,43.16 116.43,43.16 116.59,43.31 116.59,46.97 v1(116.11,47.45)
  ART10 w0.086: v1(94.29,25.63) 94.29,25.47 94.57,25.19 94.69,24.9 94.69,24.66 94.92,24.43 95.58,24.43 97.21,22.81 101.17,22.81 101.82,23.08 102.98,24.24 103.42,24.42 104.14,25.15 104.95,25.15 105.44,25.63 v1(105.59,25.63) 105.59,25.47 105.87,25.19 105.99,24.9 105.99,24.66 106.22,24.43 106.88,24.43 108.51,22.81 112.47,22.81 113.12,23.08 114.29,24.24 114.72,24.42 115.44,25.15 116.26,25.15 116.74,25.63 v1(116.89,25.63) 116.89,25.47 117.17,25.19 117.3,24.9 117.3,24.66 117.53,24.43 118.19,24.43 119.81,22.81 123.78,22.81 124.42,23.08 125.59,24.24 126.02,24.42 126.75,25.15 127.56,25.15 128.04,25.63 v1(128.2,25.63) 128.2,25.47 128.48,25.19 128.6,24.9 128.6,24.66 128.83,24.43 129.49,24.43 131.11,22.81 135.08,22.81 135.73,23.08 136.89,24.24 137.33,24.42 138.05,25.15 138.86,25.15 139.35,25.63 v1(139.5,25.63) 139.69,25.63 140.1,25.23 140.53,25.23
  ART10 w0.155: v1(143.54,23.95) 142.85,23.95 141.57,25.23 140.53,25.23
